# Altium PCB Computer_Board_Mockup.PcbDoc (part 3 of 5)
Units mm, origin at the board's own origin, x right, y up, seen from the top; angles counter-clockwise.
Board outline 185 x 165 mm, 4 copper layers (Top Layer, Layer 1, Layer 2, Bottom Layer), stack 1.57 mm thick; 400 components, 369 nets, 1989 pads, 984 vias.
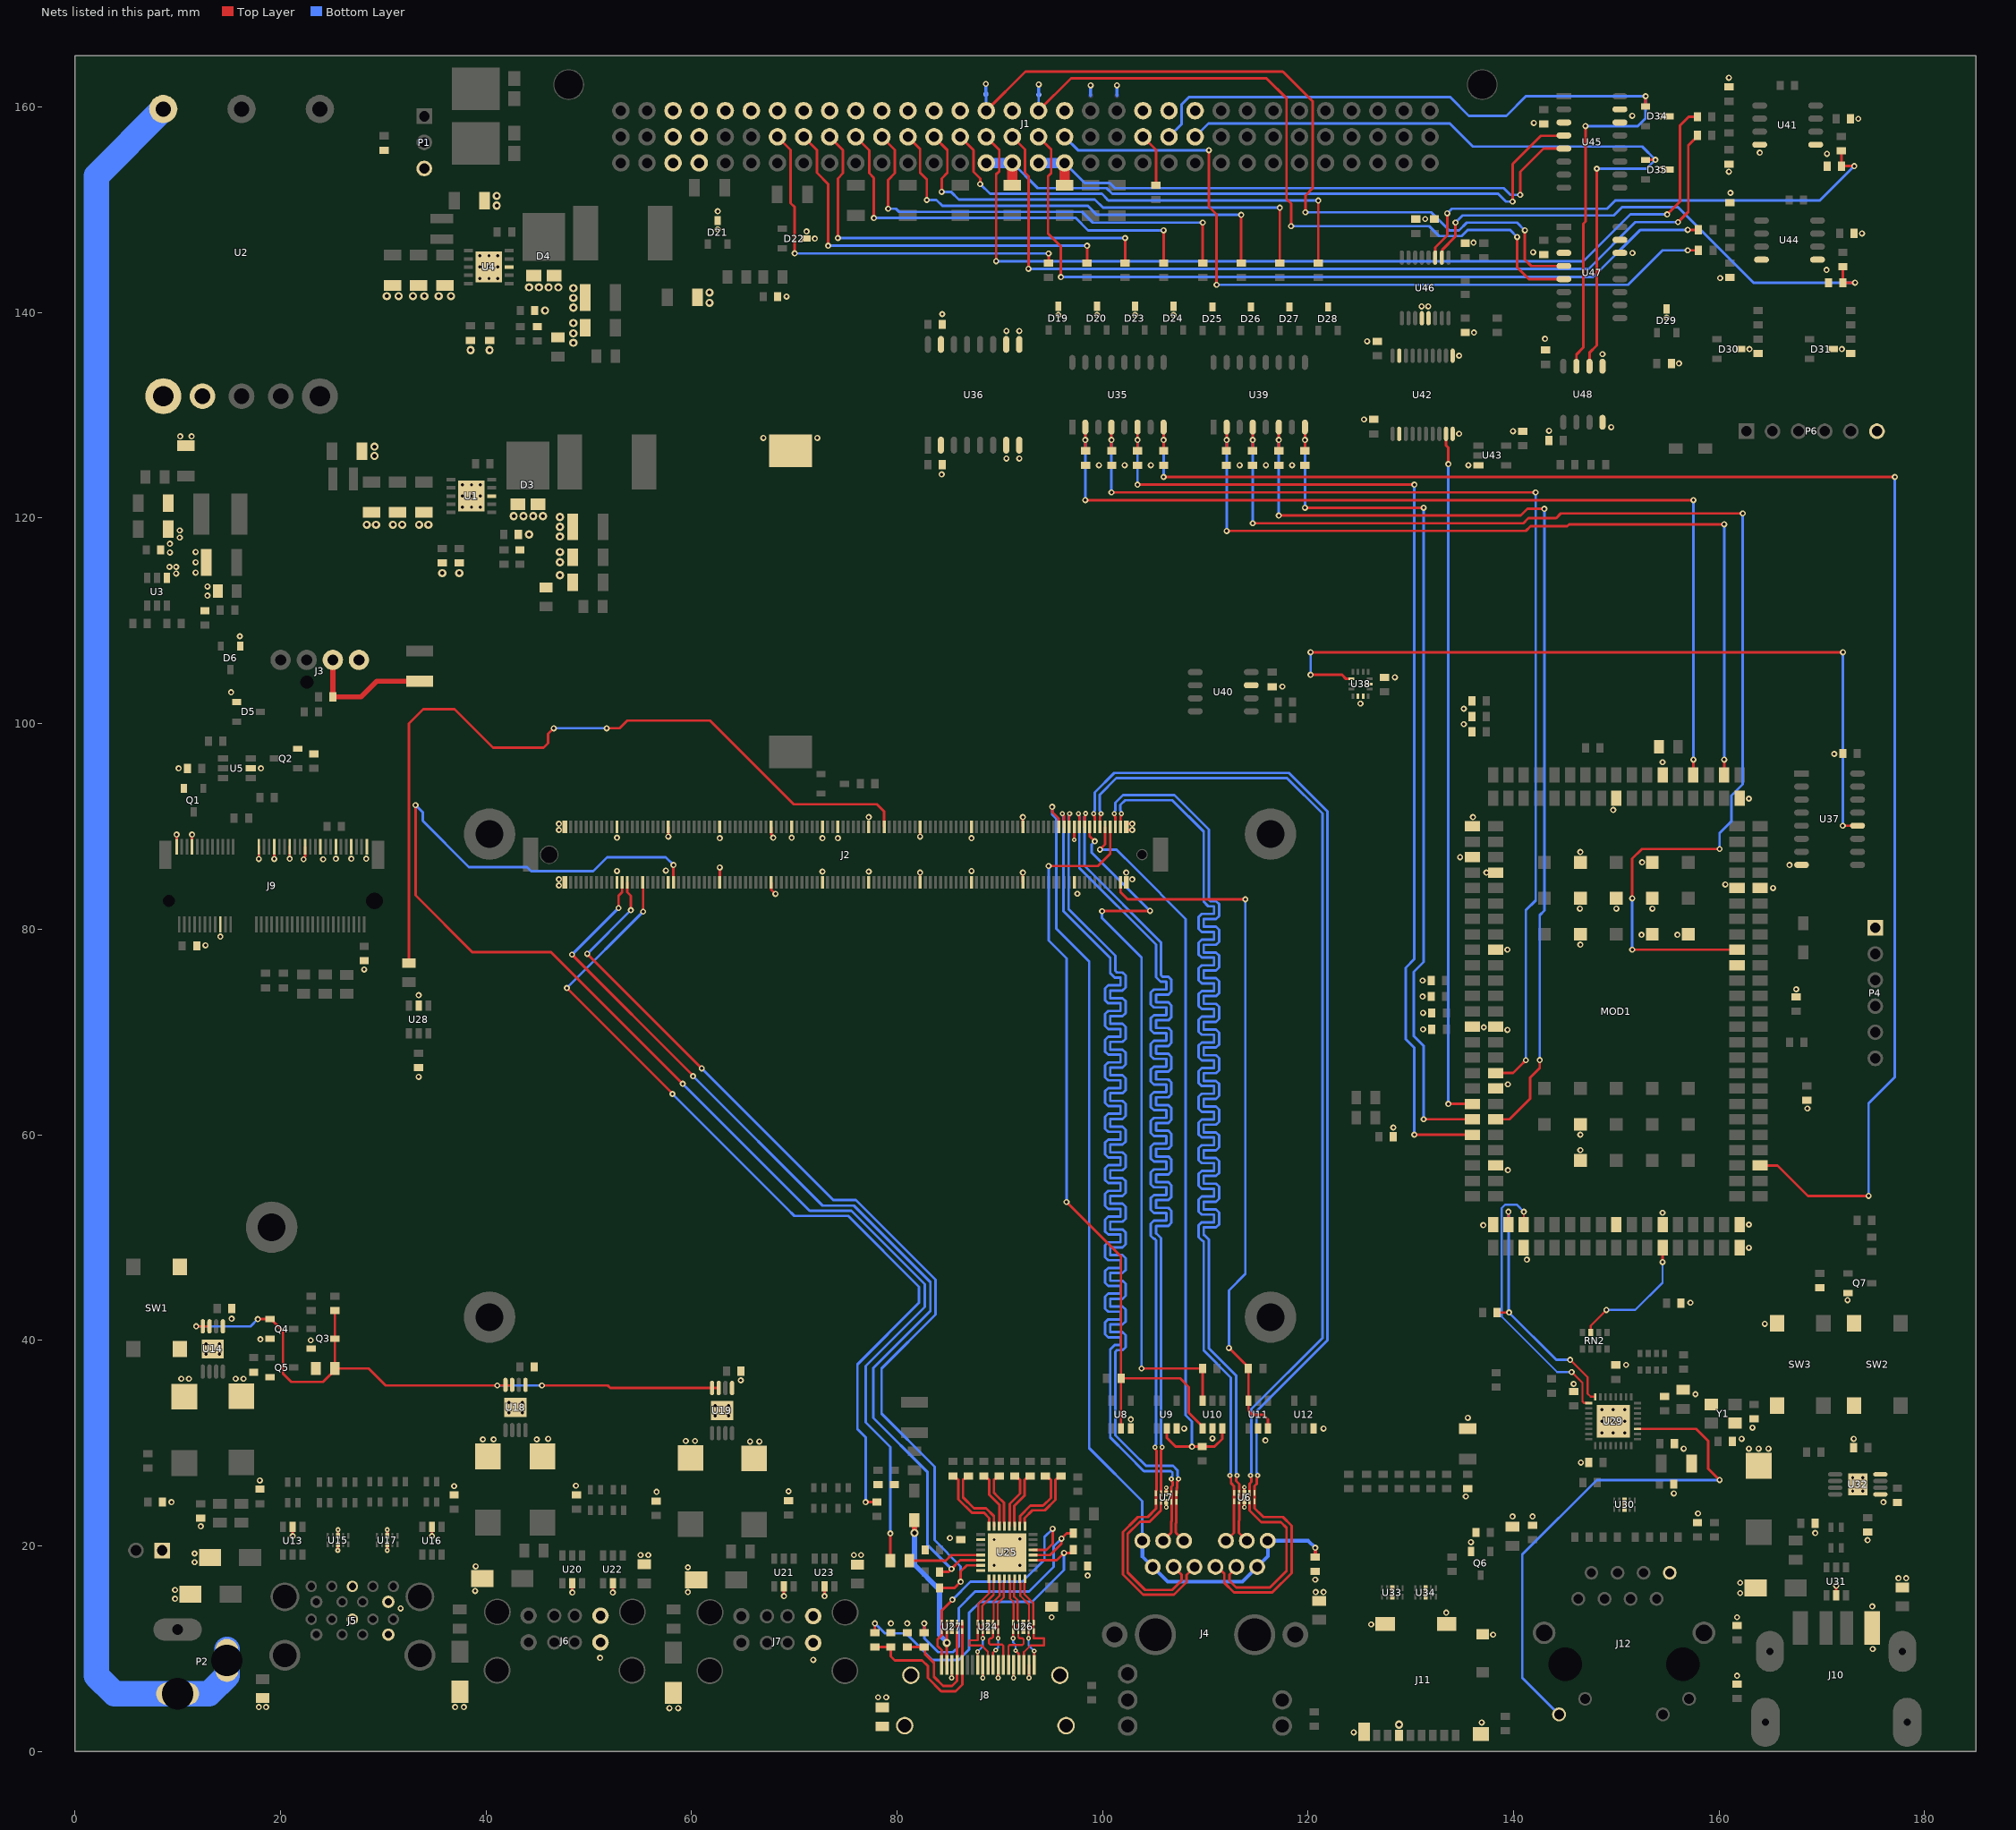
[diagram p5: the nets of this part, all layers, seen from the top]

## Via types
v1: diameter 0.6, hole 0.3, Top Layer to Bottom Layer, tented both sides, 775 vias
v2: diameter 0.8, hole 0.4, Top Layer to Bottom Layer, tented both sides, 113 vias
v3: diameter 0.5, hole 0.2, Top Layer to Bottom Layer, tented both sides, 38 vias
v4: diameter 0.6, hole 0.3, Top Layer to Bottom Layer, 22 vias
v5: diameter 0.45, hole 0.2, Top Layer to Bottom Layer, tented both sides, 16 vias
v6: diameter 0.9, hole 0.5, Top Layer to Bottom Layer, tented both sides, 12 vias
v7: diameter 0.5, hole 0.25, Top Layer to Bottom Layer, tented both sides, 5 vias
v8: diameter 0.45, hole 0.25, Top Layer to Bottom Layer, tented both sides, 3 vias

## Nets (pads, with @x,y where several pads share a name; then routed paths per layer and width w, separated by ;. In a path a pad name is that pad's centre, name@x,y a point inside that pad or via, vN(x,y) a via of type N, cw(c..) or ccw(c..) an arc to the next point about the centre after c; other vN are vias at no path point) (continued)
DDC_AUX_SEL: J2.B95 R41.2 | length 84.6
  Top Layer w0.25: v1(47.875,74.275) 58.15,64 v1(58.15,63.963) ; J2.B95@55.25,84.55 55.3,84.5 v1(55.3,81.7) ; v1(76.95,24.25) R41.2@78.05,24.25
  Bottom Layer w0.25: v1(47.875,74.275) v1(55.3,81.7) ; v1(58.15,63.963) 69.3,52.813 70.013,52.1 75.25,52.1 82.15,45.2 82.15,43.65 76.15,37.65 76.15,31.35 76.95,30.55 v1(76.95,24.25)
DGND: BT1.2 C2.2 C3.2 C4.2 C5.2 C6.2 C7.2 C8.2 C9.2 C10.2 C11.2 C13.2 C14.2 C15.2 C16.1 C17.2 C18.2 C30.2 C31.1 C32.2 C33.2 C34.1 C35.1 C36.2 C37.1 C38.1 C39.2 C40.2 C41.2 C42.2 C43.1 C44.1 C45.1 C46.1 C47.1 C48.1 C49.2 C50.2 C51.1 C52.2 C61.1 C62.1 C63.1 C64.2 C65.1 C66.2 C67.2 C68.2 C69.2 C70.2 C71.2 C72.2 C73.2 C74.2 C75.2 C76.2 C77.2 C78.1 C79.1 C82.1 C83.1 C84.1 C85.1 C92.1 C107.1 C108.1 C109.1 C110.1 C111.1 C112.1 C113.1 C114.1 C115.2 D3.1 D3.2 D5.1 D6.1 D8.2 D9.2 D10.2 D11.2 D12.2 D13.2 D15.1 D16.2 J2.A1 J2.A11 J2.A21 J2.A31 J2.A41 J2.A51 J2.A57 J2.A60 J2.A66 J2.A70 J2.A80 J2.A90 J2.A100 J2.A110 J2.B1 J2.B11 J2.B21 J2.B31 J2.B41 J2.B51 J2.B60 J2.B70 J2.B80 J2.B90 J2.B100 J2.B110 J3.1 J5.4 J5.7 J5.13 J5.16 J6.4 J6.8 J7.4 J7.8 J8.2 J8.5 J8.8 J8.11 J8.17 J9.1 J9.7 J9.18 J9.33 J9.39 J9.45 J9.51 J9.57 J9.63 J9.69 J9.75 J10.4 J11.6 J11.10 J11.11 J12.8 L7.2 L20.1 MOD1.3 MOD1.17 MOD1.18 MOD1.26 MOD1.29 MOD1.34 MOD1.55 MOD1.75 MOD1.80 MOD1.90 MOD1.102 MOD1.110 MOD1.119 MOD1.121 MOD1.132 MOD1.147 MOD1.152 MOD1.157 MOD1.161 MOD1.166 MOD1.A2 MOD1.B2 MOD1.G2 MOD1.G4 MOD1.G5 MOD1.H2 MOD1.H3 MOD1.H4 MOD1.I2 MOD1.I4 P3.1 P4.1 P6.6 Q1.2 Q2.2 Q3.2 Q4.2 Q5.2 Q6.2 Q7.2 R4.2 R5.2 R8.2 R18.2 R28.2 R29.1 R30.1 R31.1 R32.2 R38.2 R46.1 R60.1 R66.2 R69.1 R70.1 R71.2 R72.1 R74.1 R75.1 R84.1 R85.1 R86.1 R87.1 R88.1 R89.1 R90.1 R95.1 R96.1 R97.1 R98.1 R106.2 R118.2 R119.2 SW1.3 SW1.4 SW2.3 SW2.4 SW3.3 SW3.4 U1.8 U1.11 U2.4 U2.5 U3.1 U5.2 U6.3 U6.8 U7.3 U7.8 U8.3 U9.3 U10.2 U11.2 U12.3 U13.2 U14.1 U14.9 U15.3 U15.8 U16.2 U17.3 U17.8 U18.1 U18.9 U19.1 U19.9 U20.2 U21.2 U22.2 U23.2 U24.3 U24.8 U25.2 U25.8 U25.33 U26.3 U26.8 U27.3 U27.8 U28.2 U29.33 U30.3 U30.8 U31.2 U32.1 U32.4 U32.9 U33.3 U33.8 U34.3 U34.8 U36.2 U36.7 U36.8 U37.8 U38.2 U38.3 U38.6 U40.7 U42.2 U42.10 U43.3 U48.4 Y1.2 Y1.4 | length 35.9
  Top Layer w0.25: J9.1@9.9,88.025 v1(9.9,89.2) ; J9.7@11.4,88.025 v1(11.4,89.2) ; v1(17.9,86.825) J9.33@17.9,88.025 ; v1(19.4,86.825) J9.39@19.4,88.025 ; v1(20.9,86.85) J9.45@20.9,88.025 ; v1(21.2,20.95) U13.2@21.2,21.85 ; v1(22.25,86.8) 22.25,86.895 22.4,87.045 J9.51@22.4,88.025 ; v3(25.575,19.55) 25.588,19.563 25.588,20.12 U15.3@25.6,20.132 ; U15.8@25.6,20.968 v3(25.6,21.55) ; v3(30.4,19.55) U17.3@30.4,20.132 ; U17.8@30.4,20.968 v3(30.4,21.55) ; v1(34.75,20.95) U16.2@34.75,21.85 ; v1(48.4,15.45) U20.2@48.4,16.35 ; v1(52.35,15.45) U22.2@52.35,16.35 ; v1(57.75,89) J2.A90@57.75,89.95 ; J2.B80@62.75,84.55 v1(62.75,86) ; J2.B70@67.75,84.55 67.775,84.525 67.775,83.82 v1(68.165,83.43) ; J2.A70@67.75,89.95 67.775,89.925 67.775,89.17 67.95,88.995 v1(67.95,88.9) ; v1(69,15.1) U21.2@69,16.05 ; v1(72.95,15.1) U23.2@72.95,16.05 ; J2.B41@82.25,84.55 v1(82.25,85.5) ; v1(82.25,89) J2.A41@82.25,89.95 ; v7(85.325,7.15) 85.337,7.163 85.337,8.388 J8.17@85.35,8.4 ; v7(88.35,7.15) J8.11@88.35,8.4 ; v7(89.85,7.15) J8.8@89.85,8.4 ; v7(91.35,7.15) J8.5@91.35,8.4 ; J2.B21@92.25,84.55 v1(92.25,85.5) ; J2.A21@92.25,89.95 v1(92.25,90.9) ; v7(92.85,7.15) J8.2@92.85,8.4 ; v5(97.25,88.7) J2.A11@97.25,89.95 ; v1(102.9,89.65) 102.425,89.65 102.325,89.75 J2.A1@102.325,89.95 102.325,90.15 102.425,90.25 v1(102.9,90.25) ; v5(106.2,23.75) U7.3@106.2,24.282 ; U7.8@106.2,25.118 v5(106.2,25.65) ; v5(113.8,23.75) U6.8@113.8,24.314 ; U6.3@113.8,25.15 v5(113.8,25.7) ; U31.2@171.4,15.2 v1(171.4,16.1)
  other v1: 124.45,1.85 136.9,2.8 57.85,4.2 58.7,4.2 17.9,4.3 18.6,4.3 37,4.3 37.85,4.3 78.15,5.25 78.95,5.25 161.75,7.35 71.85,8.9 51.1,9.1 174.95,9.95 138,11.35 126.15,12.35 79.4,12.45 81,12.45 95.05,13.05 161.75,13.05 133.45,13.5 31.7,13.9 174.9,14.1 9.75,14.85 162.05,15.4 59.65,15.5 120.75,15.5 121.5,15.5 38.95,15.6 9.75,15.7 162.05,16.4 120.7,16.7 177.45,16.85 178.2,16.85 98.55,17.1 59.65,17.9 39,18 89.45,18.1 91.95,18.1 11.65,18.4 55.05,19.1 55.8,19.1 75.8,19.1 76.5,19.1 11.65,19.25 90.7,19.35 135.85,20.35 174.45,20.55 89.45,20.6 91.95,20.65 85.15,20.75 169.35,21.25 12.25,21.9 139.9,22.85 141.85,22.85 157.95,23.15 9.4,24.25 176,24.25 135.35,24.8 155.6,25.1 56.6,25.25 69.45,25.3 173,25.325 174,25.325 36.9,25.8 48.75,25.85 18,26.35 173,26.625 146.55,28.1 156.55,29.45 162.9,29.45 163.85,29.45 164.8,29.45 65.7,30.15 66.6,30.15 59.45,30.2 60.35,30.2 115.85,30.25 39.7,30.35 40.75,30.35 44.95,30.35 46.05,30.4 162.2,30.4 173.1,30.4 110.7,30.45 148.6,31 149.7,31 150.8,31 107.95,31.4 121.5,31.4 163.25,31.5 148.6,32.1 150.8,32.1 149.7,32.125 102.75,32.3 135.55,32.45 62.325,32.65 63.625,32.65 42.225,32.95 43.525,32.95 148.6,33.25 149.7,33.25 150.8,33.25 63.625,33.65 43.525,33.95 157.7,34.75 145.85,35.75 64.8,36.1 10.35,36.25 11.1,36.25 15.65,36.25 16.4,36.25 150.95,37.6 12.775,38.65 14.075,38.65 14.075,39.65 22.95,40 18.05,40.1 164.45,41.6 15.25,42.1 157.2,43.65 172.5,43.9 141.3,47.85 162.9,49 137.05,51.2 162.9,51.25 154.5,52.4 139.45,56.55 146.5,58.5 146.5,60 128.3,60.7 168.6,62.55 139.45,64.9 33.45,65.625 139.4,70.2 131.2,70.25 137.1,70.45 131.2,71.85 131.15,73.45 33.45,73.575 167.5,74.15 131.15,75 28.15,76.075 139.4,78 12.7,78.425 146.5,78.5 14.15,79.275 152.45,79.45 155.95,79.45 146.45,82 150,82 153.5,82 97.55,83.45 165.25,84 47.1,84.25 160.6,84.35 47.1,84.85 102.9,84.85 102.3,85.5 137.35,85.5 72.75,85.6 77.25,85.6 52.75,85.65 87.25,85.65 57.5,85.7 166.85,86.25 152.5,86.5 24.15,86.8 25.4,86.85 26.9,86.85 28.35,86.85 134.8,87 146.5,87.5 62.75,88.85 72.75,88.85 74.25,88.85 87.25,88.85 52.75,88.9 69.75,88.9 47.1,89.65 47.1,90.25 77.25,90.9 136.05,90.9 149.7,91.6 162.9,92.7 10.1,95.65 18.1,95.65 154.5,96.25 171.2,97.05 135.15,99.95 135.15,101.45 125.1,101.95 15.2,103.05 117.5,103.6 128.45,104.5 16.05,108.5 12.9,112.45 12.9,113.35 9.85,114.6 11.75,114.7 9.2,115.25 9.85,115.25 11.75,115.7 9.25,116.65 11.75,116.7 9.25,117.5 10.2,118.1 10.2,118.8 84.35,124.25 99.65,125.15 102.15,125.15 104.7,125.15 113.35,125.15 115.9,125.15 118.45,125.15 135.6,125.15 90.65,125.8 91.9,125.8 67,127.8 72.25,127.8 10.25,127.95 11.35,127.95 134.7,128.2 139.95,128.45 143.45,128.5 149.5,128.85 125.45,129.6
  other v2: 128.85,2.6 47.2,114.45 35.75,114.65 37.4,114.65 47.2,115.7 47.2,116.7 47.2,118.2 44.2,118.4 47.2,119.15 28.4,119.35 29.3,119.35 30.95,119.35 31.85,119.35 33.5,119.35 34.4,119.35 47.2,120.1 42.7,120.2 43.65,120.2 44.6,120.2 45.55,120.2 29.15,126.05 29.15,126.95
  other v4: 174,26.625 62.325,33.65 42.225,33.95 12.775,39.65 37.7,121.05 38.6,121.05 39.45,121.05 37.7,122.15 38.6,122.15 39.45,122.15 37.7,123.25 38.6,123.25 39.45,123.25
  other v5: 128.2,15.45 131.45,15.45 150.8,24
  other v8: 85.35,12.1 88.851,12.1 92.3,12.1
EN_USB_5V: C36.1 Q3.3 Q4.1 R26.2 U14.3 U14.4 U18.3 U18.4 U19.3 U19.4 | length 66
  Top Layer w0.25: v1(11.8,41.35) U14.4@12.45,41.35 U14.3@13.1,41.35 ; v1(17.8,42.05) Q4.1@19,42.05 19.15,42.05 19.325,41.875 19.325,41.825 20.25,40.9 20.25,36.75 21.05,35.95 24.15,35.95 24.925,36.725 24.95,36.725 25.3,37.075 C36.1@25.3,37.25 ; R26.2@25.3,42.9 Q3.3@25.3,40.15 C36.1@25.3,37.25 ; U18.3@42.55,35.65 42.5,35.6 v1(41.1,35.6) 30.25,35.6 28.6,37.25 C36.1@25.3,37.25 ; v1(45.445,35.6) 51.85,35.6 52.1,35.35 U19.4@62,35.35 U19.3@62.65,35.35
  Bottom Layer w0.25: v1(11.8,41.35) 17.1,41.35 v1(17.8,42.05) ; v1(41.1,35.6) v1(45.445,35.6)
ESTOP_IN_24V: J1.B21 R105.2 | length 5.2
  Top Layer w0.25: J1.B21@103.93,157.1 105.2,155.83 R105.2@105.2,152.4
ESTOP_STATE: MOD1.137 U42.9 | length 67.6
  Top Layer w0.25: U42.9@133.425,128.2 133.425,127.075 133.65,126.85 v1(133.65,125.25) ; v1(133.65,63) MOD1.137@136,63
  Bottom Layer w0.25: v1(133.65,63) v1(133.65,125.25)
ETH_CT: C61.2 J2.A14 J4.1 J4.6 J4.7 J4.12 | length 100.6
  Top Layer w0.25: v1(95.1,91.9) 95.1,91.4 95.725,90.775 95.725,89.975 J2.A14@95.75,89.95
  Top Layer w0.35: J4.1@115.05,17.95 J4.1@115.05,17.958 ; J4.7@115.965,20.385 J4.7@116.07,20.49 J4.7@116.06,20.5 ; C61.2@120.7,18.9 v1(120.7,19.8)
  Bottom Layer w0.25: v1(95.1,91.9) 95.1,91.15 95.5,90.75 95.5,80.05 98.7,76.85 98.7,29.5 103.87,24.33 J4.12@103.87,20.49
  Bottom Layer w0.35: J4.12@103.87,20.49 103.885,20.475 103.885,18.963 104.89,17.958 J4.6@104.89,17.95 106.34,16.5 113.6,16.5 J4.1@115.05,17.95 ; J4.1@115.05,17.958 116.1,19.008 116.1,20.46 J4.7@116.07,20.49 120.01,20.49 v1(120.7,19.8)
EXCD0_PERST#: J2.A48 R45.2 | length 78.5
  Top Layer w0.25: R45.2@32.5,76.7 32.5,100 33.9,101.4 36.95,101.4 40.7,97.65 45.6,97.65 46.05,98.1 46.05,99 v1(46.6,99.55) ; v1(51.75,99.55) 53,99.55 53.75,100.3 61.8,100.3 69.95,92.15 75.243,92.15 75.246,92.154 78.054,92.154 78.75,91.457 J2.A48@78.75,89.95
  Bottom Layer w0.25: v1(46.6,99.55) v1(51.75,99.55)
FAN_12V: F1.1 J3.2 R13.2 | length 12.7
  Top Layer w0.5: J3.2@25.1,106.2 R13.2@25.1,102.6 27.85,102.6 29.375,104.125 F1.1@33.55,104.125
GBE_ACT#: J2.B2 R25.2 U11.3 U11.6 | length 67.7
  Top Layer w0.25: J2.B2@101.75,84.55 101.75,83.6 102.45,82.9 v1(113.9,82.9) ; v1(112.3,39.25) 114.2,37.35 R25.2@114.2,37.25 U11.6@114.2,34.1 114.2,33.15 114.6,32.75 115.65,32.75 116.1,32.3 U11.3@116.1,31.4
  Bottom Layer w0.25: v1(112.3,39.25) 112.3,44.85 113.9,46.45 v1(113.9,82.9)
GND: C20.2 C21.2 C22.2 C23.2 C24.2 C25.2 C26.2 C27.2 C28.2 C29.2 C80.2 C81.1 C86.1 C87.1 C89.2 C90.2 C91.2 C93.1 C95.1 C96.2 C97.2 C98.2 C99.2 C100.2 C101.2 C102.1 C104.2 C105.2 C106.2 C116.1 D4.1 D4.2 D19.3 D20.3 D21.3 D22.3 D23.3 D24.3 D25.3 D26.3 D27.3 D28.3 D29.3 D30.3 D31.3 D34.3 D35.3 J1.A3 J1.A4 J1.A5 J1.A6 J1.A7 J1.A8 J1.A9 J1.A10 J1.A11 J1.A12 J1.A13 J1.A14 J1.A16 J1.A18 J1.A21 J1.A22 J1.A23 J1.B3 J1.B4 J1.C3 J1.C4 J13.1 J14.1 J15.1 J16.1 P1.3 P2.2 P2.3 R1.2 R11.2 R12.2 R107.1 U2.3 U4.8 U4.11 U36.9 U36.10 U36.15 U41.4 U41.5 U42.11 U42.19 U44.4 U44.5 U45.3 U45.14 U45.15 U46.4 U46.5 U47.3 U47.14 U47.15 U48.5 | length 171.8
  Bottom Layer w2.5: U2.3@8.6,159.8 2.1,153.3 2.1,7.357 3.857,5.6 P2.2@10,5.6 13.043,5.6 14.8,7.357 P2.3@14.8,8.85 P2.3@14.8,9.9
  other v1: 156.1,135.05 134.7,135.8 148.65,135.95 162.95,136.45 171.95,136.45 125.75,137.2 143.05,137.45 136.15,138.05 90.65,138.2 91.9,138.2 154.9,139.5 95.7,139.75 99.45,139.75 103.15,139.75 106.9,139.75 84.4,139.85 131.05,140.6 131.7,140.6 69.25,141.55 160.1,143.35 170.45,144.15 151.576,145.795 141.904,145.867 136.1,146.8 72,147.2 173.9,147.7 71.2,147.9 62.55,148.1 131.4,149.1 62.55,149.85 161.1,151.65 160.95,153.7 154.3,153.9 170.5,155.45 163.95,155.55 141.976,158.445 173.55,158.85 154.3,159.1 151.55,159.15 98.85,162.1 101.4,162.1 93.8,162.2 88.65,162.25 160.95,162.85
  other v2: 38.5,136.35 40.35,136.35 48.5,137.05 48.5,137.975 48.5,138.975 45.75,140.2 48.5,140.475 61.75,140.95 48.5,141.425 30.35,141.6 31.5,141.6 32.9,141.6 34,141.6 35.4,141.6 36.6,141.6 61.75,141.95 48.5,142.375 44.2,142.45 45.15,142.45 46.1,142.45 47.05,142.45 41.05,150.4 41.05,151.35
  other v4: 39.4,143.325 40.3,143.325 41.15,143.325 39.4,144.425 40.3,144.425 41.15,144.425 39.4,145.525 40.3,145.525 41.15,145.525
GRN_A: J12.12 U29.3 | length 50.9
  Top Layer w0.25: U29.3@152.075,31.375 157.775,31.375 158.95,30.2 158.95,27.5 v1(160.05,26.4)
  Bottom Layer w0.25: J12.12@144.425,3.585 140.85,7.16 140.85,19.15 148.1,26.4 v1(160.05,26.4)
HDMI_5V: D14.1 J8.18 U27.4 U27.7 | length 17.4
  Top Layer w0.25: J8.18@84.85,8.4 U27.7@84.85,11.7 U27.4@84.85,12.536
  Top Layer w0.5: v2(81.7,21.25) D14.1@81.7,22.5
  Bottom Layer w0.5: v2(81.7,21.25) 81.7,18.15 84.15,15.7 84.15,11.331 84.85,10.631 v2(84.85,10.55)
HDMI_CHASSIS: J8.20 R46.2
HDMI_CLK_EXT_N: J8.12 U24.2 U24.9 U25.10 | length 8.5
  Top Layer w0.2: J8.12@87.85,9 v5(87.85,9.7) ; v5(88.351,11) U24.2@88.351,11.7 88.351,11.883 88.301,11.933 88.301,12.303 88.351,12.353 U24.9@88.351,12.536 88.351,12.719 88.301,12.769 88.301,14.153 89.4,15.252 89.4,16.39 89.415,16.405 89.415,16.765 U25.10@89.45,16.8
  Bottom Layer w0.2: v5(87.85,9.7) 88.351,10.201 v5(88.351,11)
HDMI_CLK_EXT_P: J8.10 U24.1 U24.10 U25.9 | length 11.2
  Top Layer w0.2: J8.10@88.85,8.4 88.85,9.7 88.35,10.2 88.25,10.3 87.051,10.3 87.051,10.8 87.851,10.8 87.851,11.2 U24.1@87.851,11.7 87.851,11.883 87.901,11.933 87.901,12.303 87.851,12.353 U24.10@87.851,12.536 87.851,12.719 87.901,12.769 87.901,14.319 89,15.418 89,16.39 88.985,16.405 88.985,16.765 U25.9@88.95,16.8
HDMI_CLK_N: C54.2 U25.31 | length 7.1
  Top Layer w0.25: C54.2@86.95,26.8 86.725,26.575 86.571,26.575 86.425,26.429 86.425,24.711 87.486,23.65 88.661,23.65 89.425,22.886 89.425,22.215 89.45,22.19 U25.31@89.45,21.9
HDMI_CLK_P: C53.2 U25.32 | length 7.1
  Top Layer w0.25: C53.2@85.45,26.8 85.675,26.575 85.829,26.575 85.975,26.429 85.975,24.525 87.3,23.2 88.475,23.2 88.975,22.7 88.975,22.215 88.95,22.19 U25.32@88.95,21.9
HDMI_DAT0_EXT_N: J8.9 U24.5 U24.6 U25.12 | length 8.3
  Top Layer w0.2: J8.9@89.35,9 89.35,9.6 v5(89.6,9.85) ; v5(89.851,11) U24.5@89.851,11.7 89.851,11.883 89.801,11.933 89.801,12.303 89.851,12.353 U24.6@89.851,12.536 89.851,12.719 89.801,12.769 89.801,14.403 90.4,15.002 90.4,16.39 90.415,16.405 90.415,16.765 U25.12@90.45,16.8
  Bottom Layer w0.2: v5(89.6,9.85) 89.851,10.101 v5(89.851,11)
HDMI_DAT0_EXT_P: J8.7 U24.4 U24.7 U25.11 | length 10.3
  Top Layer w0.2: U25.11@89.95,16.8 89.985,16.765 89.985,16.405 90,16.39 90,15.168 89.401,14.569 89.401,12.769 89.351,12.719 U24.7@89.351,12.536 89.351,12.353 89.401,12.303 89.401,11.933 89.351,11.883 U24.4@89.351,11.7 89.351,11.117 89.234,11 89.067,11 88.95,10.883 88.95,10.517 89.067,10.4 90.221,10.4 90.338,10.283 90.338,8.412 J8.7@90.35,8.4
HDMI_DAT0_N: C56.2 U25.29 | length 5.6
  Top Layer w0.25: C56.2@89.95,26.8 89.725,26.575 89.571,26.575 89.425,26.429 89.425,25.161 89.766,24.821 90.425,24.161 90.425,22.215 90.45,22.19 U25.29@90.45,21.9
HDMI_DAT0_P: C55.2 U25.30 | length 5.6
  Top Layer w0.25: C55.2@88.45,26.8 88.675,26.575 88.829,26.575 88.975,26.429 88.975,24.975 89.58,24.371 89.975,23.975 89.975,22.215 89.95,22.19 U25.30@89.95,21.9
HDMI_DAT1_EXT_N: J8.6 U25.14 U26.2 U26.9 | length 10.3
  Top Layer w0.2: J8.6@90.85,8.4 90.85,10.233 90.967,10.35 92.2,10.35 92.325,10.475 92.325,10.883 92.208,11 91.917,11 91.8,11.117 U26.2@91.8,11.7 91.8,11.883 91.75,11.933 91.75,12.303 91.8,12.353 U26.9@91.8,12.536 91.8,12.719 91.75,12.769 91.75,14.693 91.4,15.043 91.4,16.39 91.415,16.405 91.415,16.765 U25.14@91.45,16.8
HDMI_DAT1_EXT_P: J8.4 U25.13 U26.1 U26.10 | length 8.9
  Top Layer w0.2: U25.13@90.95,16.8 90.985,16.765 90.985,16.405 91,16.39 91,14.877 91.35,14.527 91.35,12.769 91.3,12.719 U26.10@91.3,12.536 91.3,12.353 91.35,12.303 91.35,11.933 91.3,11.883 U26.1@91.3,11.7 v5(91.3,11) ; v5(91.55,9.8) 91.813,9.537 91.813,8.437 J8.4@91.85,8.4
  Bottom Layer w0.2: v5(91.3,11) 91.3,10.6 91.55,10.35 v5(91.55,9.8)
HDMI_DAT1_N: C58.2 U25.27 | length 5.6
  Top Layer w0.25: U25.27@91.45,21.9 91.45,22.19 91.425,22.215 91.425,23.889 92.425,24.889 92.425,26.429 92.571,26.575 92.725,26.575 C58.2@92.95,26.8
HDMI_DAT1_P: C57.2 U25.28 | length 5.6
  Top Layer w0.25: U25.28@90.95,21.9 90.95,22.19 90.975,22.215 90.975,24.075 91.975,25.075 91.975,26.429 91.829,26.575 91.675,26.575 C57.2@91.45,26.8
HDMI_DAT2_EXT_N: J8.3 U25.16 U26.5 U26.6 | length 11.4
  Top Layer w0.2: J8.3@92.35,8.4 92.35,9.5 92.35,9.65 93,10.3 94.3,10.3 94.3,11 93.3,11 93.3,11.15 U26.5@93.3,11.7 93.3,11.883 93.25,11.933 93.25,12.303 93.3,12.353 U26.6@93.3,12.536 93.3,12.719 93.25,12.769 93.25,14.443 92.4,15.293 92.4,16.39 92.415,16.405 92.415,16.765 U25.16@92.45,16.8
HDMI_DAT2_EXT_P: J8.1 U25.15 U26.4 U26.7 | length 9.1
  Top Layer w0.2: U25.15@91.95,16.8 91.985,16.765 91.985,16.405 92,16.39 92,15.127 92.85,14.277 92.85,12.769 92.8,12.719 U26.7@92.8,12.536 92.8,12.353 92.85,12.303 92.85,11.933 92.8,11.883 U26.4@92.8,11.7 v5(92.8,11) ; J8.1@93.35,8.4 v5(93.35,9.75)
  Bottom Layer w0.2: v5(92.8,11) 92.8,10.3 v5(93.35,9.75)
HDMI_DAT2_N: C60.2 U25.25 | length 7.2
  Top Layer w0.25: U25.25@92.45,21.9 92.45,22.19 92.425,22.215 92.425,22.7 93.175,23.45 94.4,23.45 95.425,24.475 95.425,26.429 95.571,26.575 95.725,26.575 C60.2@95.95,26.8
HDMI_DAT2_P: C59.2 U25.26 | length 7.2
  Top Layer w0.25: U25.26@91.95,21.9 91.95,22.19 91.975,22.215 91.975,22.886 92.989,23.9 94.214,23.9 94.975,24.661 94.975,26.429 94.829,26.575 94.675,26.575 C59.2@94.45,26.8
HDMI_HPD_EXT: J8.19 U25.21 U27.5 U27.6 | length 24.6
  Top Layer w0.25: J8.19@84.35,8.4 84.35,9.85 83.95,10.25 83.95,10.9 84.35,11.3 U27.6@84.35,11.7 U27.5@84.35,12.536 84.35,13.7 v1(85.4,14.75) ; U25.21@93.25,19.6 94.55,19.6 95.15,20.2 v1(95.15,21.65)
  Bottom Layer w0.25: v1(85.4,14.75) 87.15,16.5 92.2,16.5 94.35,18.65 94.35,20.85 v1(95.15,21.65)
HDMI_HPD_INT: R33.2 U25.5 | length 7.2
  Top Layer w0.25: R33.2@81.2,18.55 84.75,18.55 85.3,19.1 U25.5@88.15,19.1
HDMI_SCL_EXT: L15.1 R37.2 U25.19 | length 32.5
  Top Layer w0.25: L15.1@77.85,11.55 v1(77.85,12.45) ; U25.19@93.25,18.6 95.55,18.6 v1(96.25,19.3) 96.925,19.3 97.15,19.525 R37.2@97.15,19.625
  Bottom Layer w0.25: v1(77.85,12.45) 78.825,11.475 80.875,11.475 83.45,8.9 86,8.9 87,9.9 87,13.45 88.1,14.55 93.15,14.55 96.25,17.65 v1(96.25,19.3)